# Altium PCB PCB1.PcbDoc
Units mm, origin at the board's own origin, x right, y up, seen from the top; angles counter-clockwise.
Board outline 42.93 x 47.63 mm, 2 copper layers (Top Layer, Bottom Layer); 25 components, 29 nets, 77 pads, 7 vias.
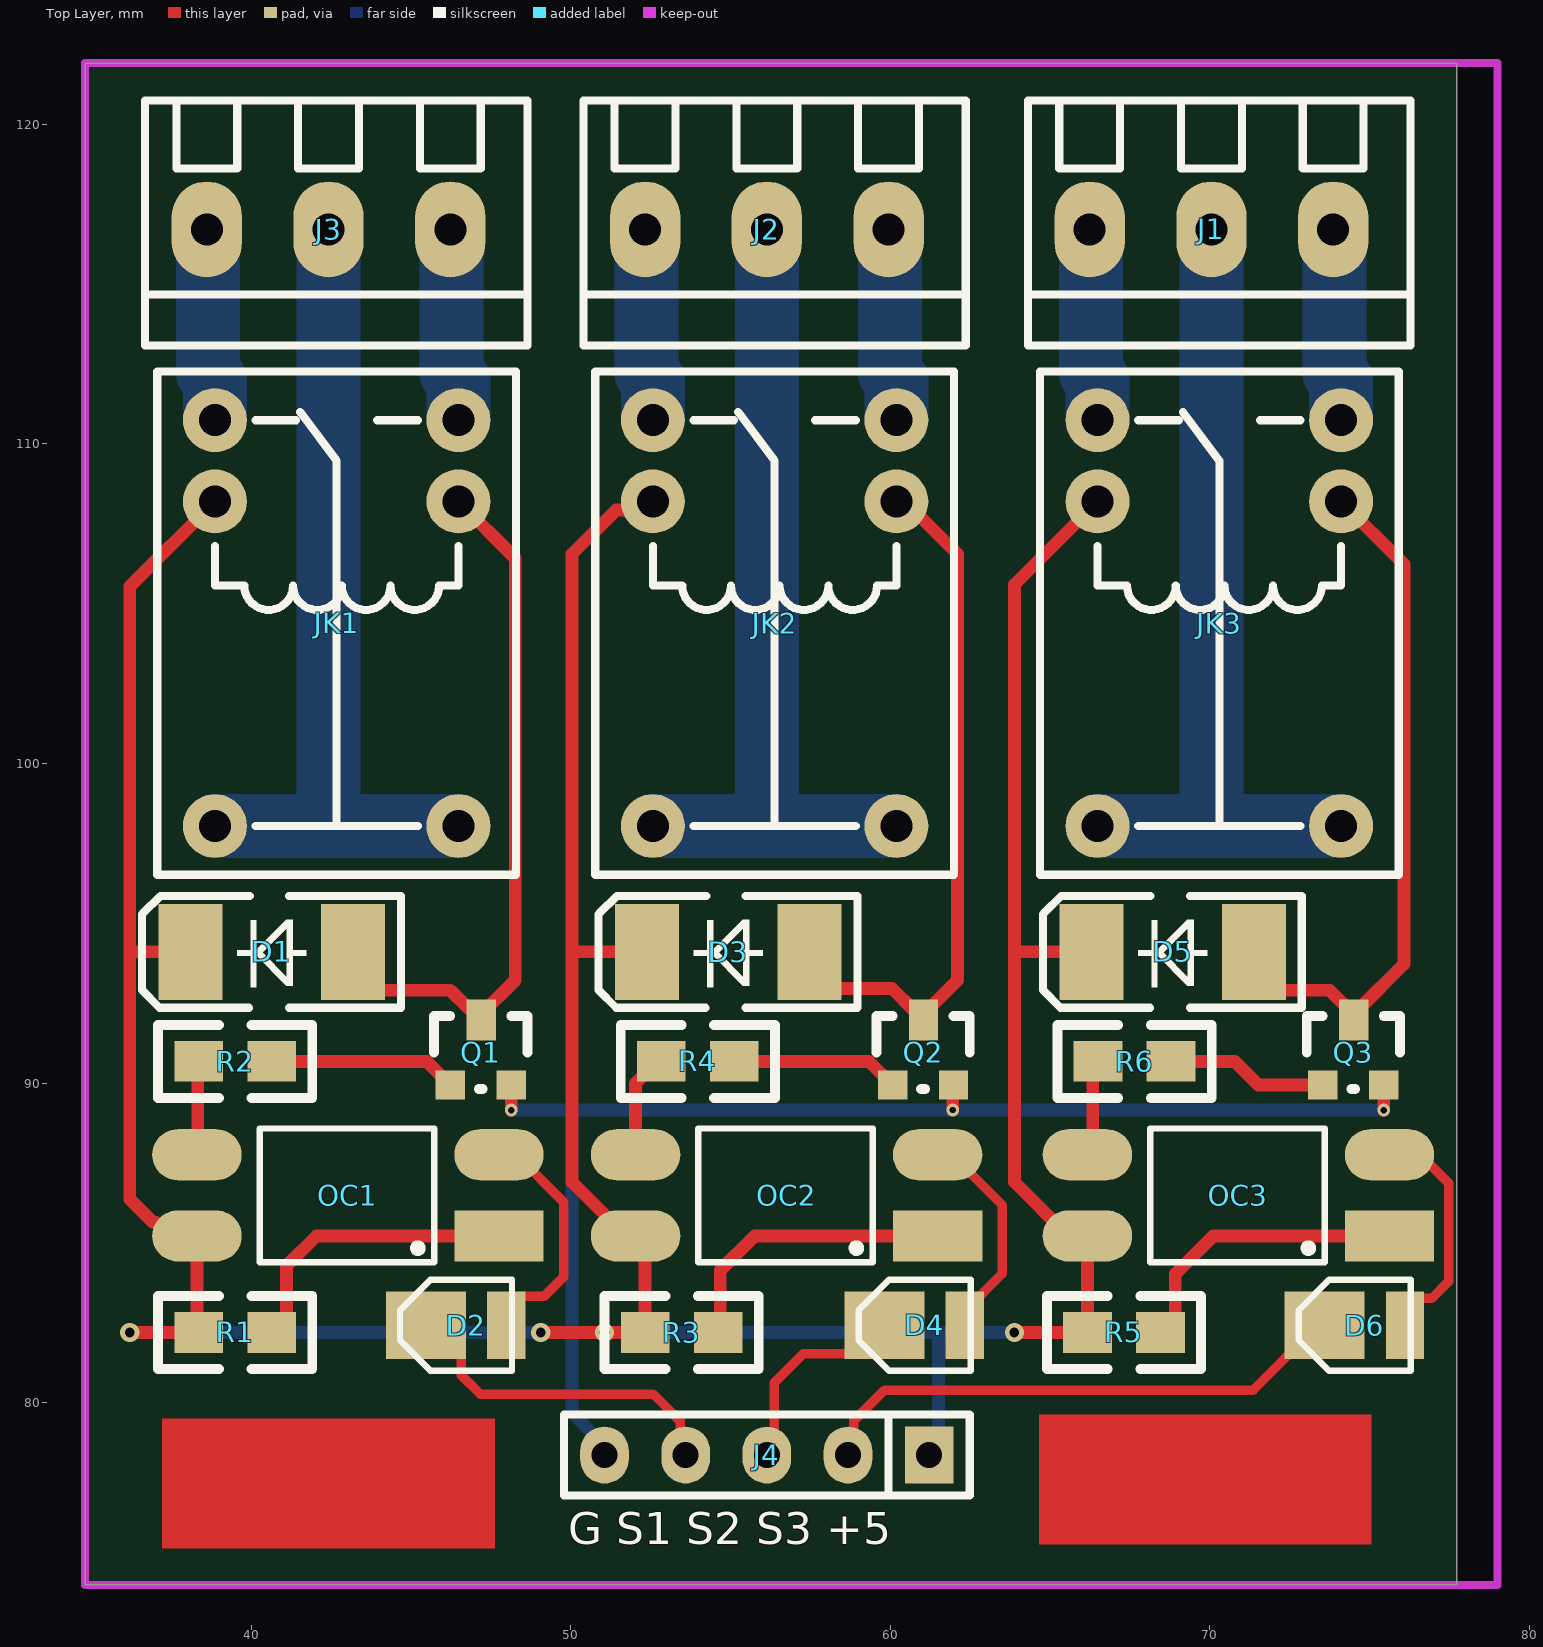
[diagram p0: Top Layer view]
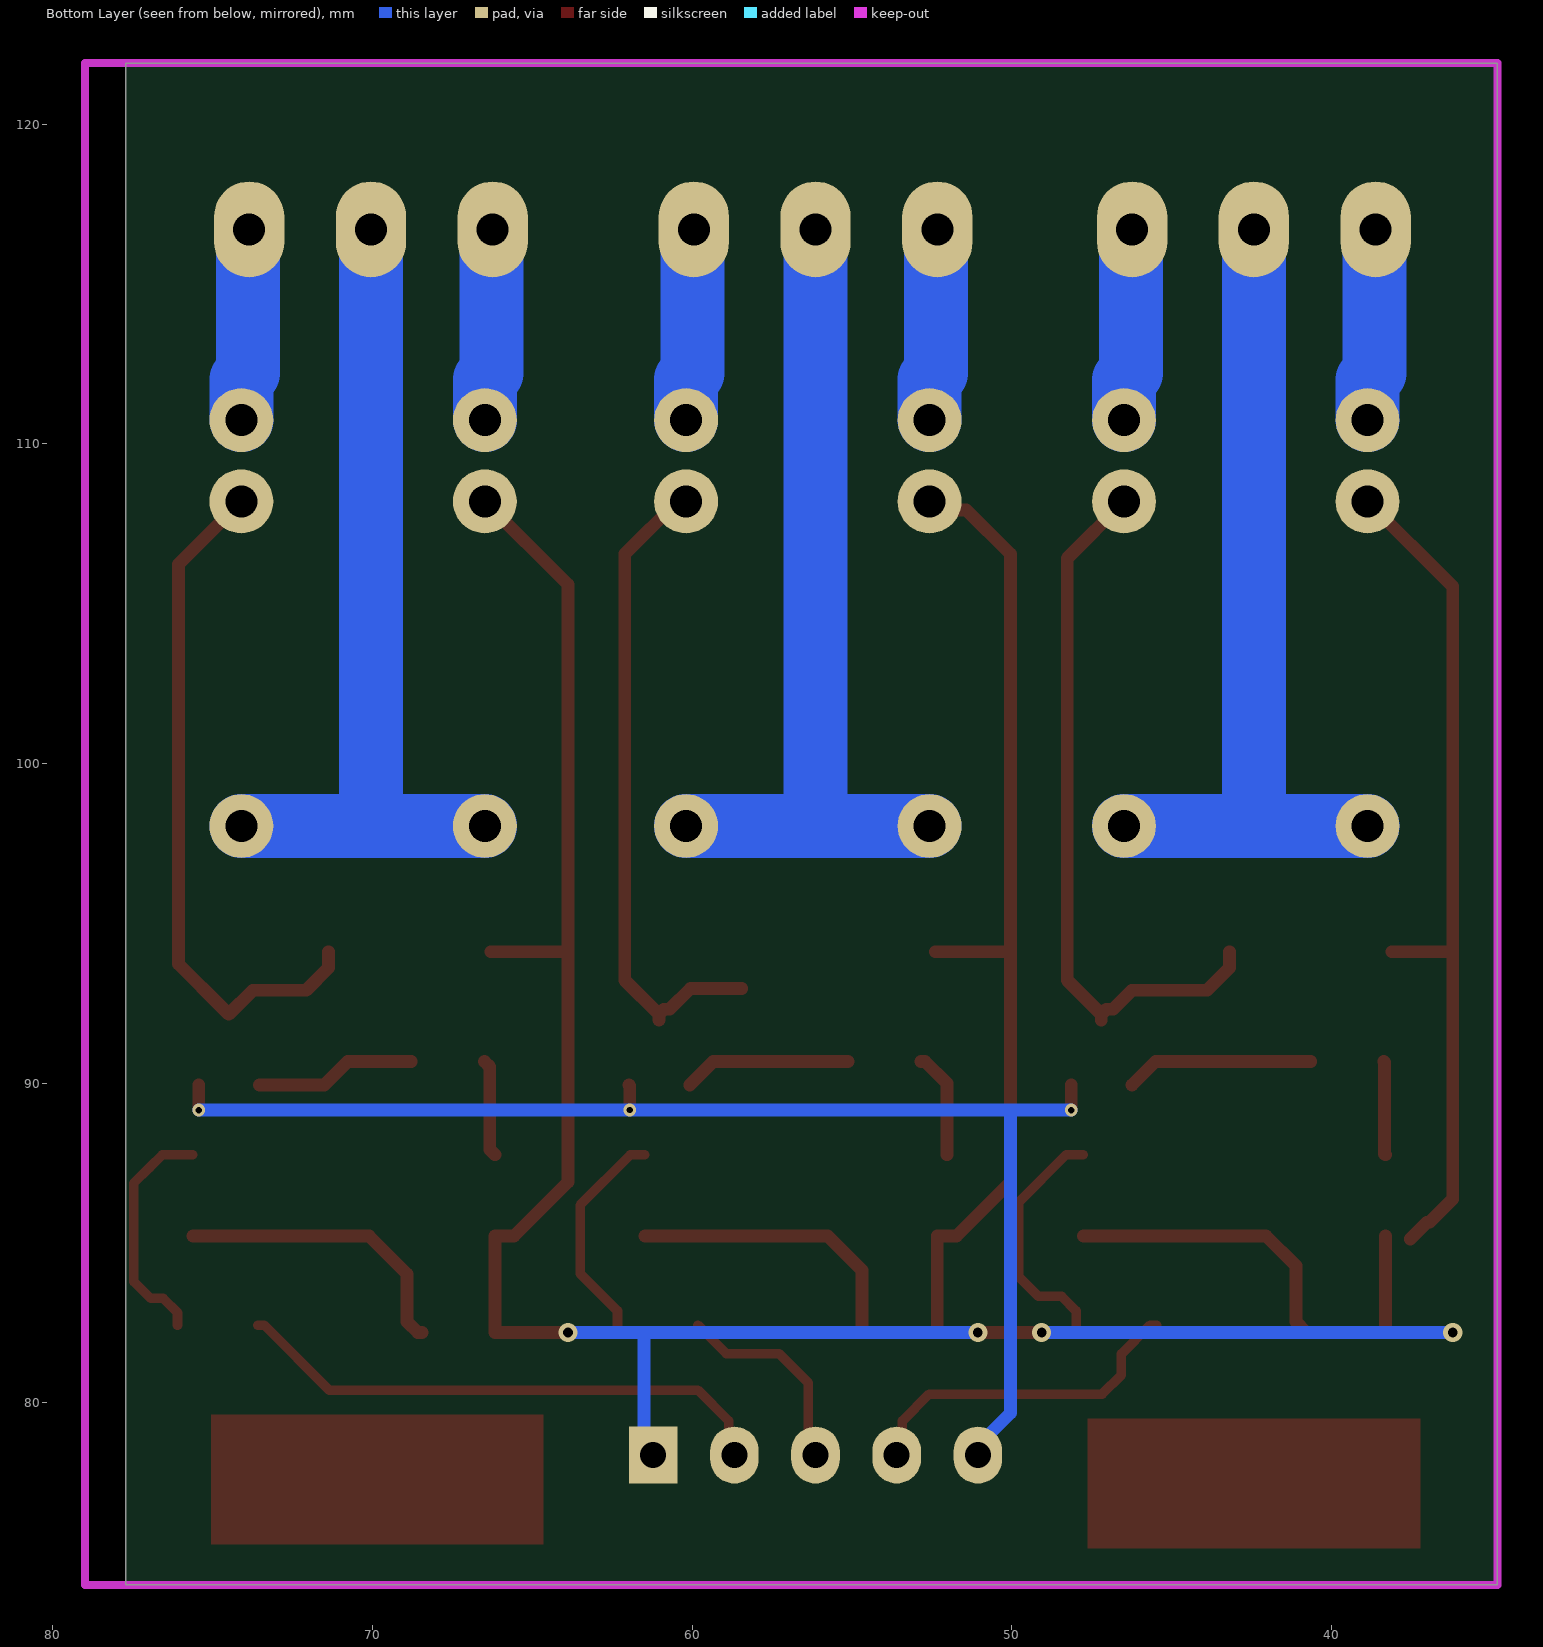
[diagram p1: Bottom Layer view, seen from below]

## Layer stack, top to bottom
Top Solder: solder mask 0.0102, Solder Resist, Dk 3.5
Top Layer: signal copper 0.0356
Dielectric 1: dielectric 0.32, FR-4, Dk 4.8
Bottom Layer: signal copper 0.0356
Bottom Solder: solder mask 0.0102, Solder Resist, Dk 3.5

## Board outline
34.798,74.295 34.798,121.92 77.724,121.92 77.724,74.295

## Design rules (kind name [scope] priority, off if disabled: settings)
Clearance [All] p1: gap=0.18 ignorepadtopadclearanceinfootprint=FALSE
HoleSize [All] p1: absolutevalues=TRUE maxlimit=10 minlimit=0.025 maxpercent=80.000 minpercent=20.000
PolygonConnect [All] p1: connectstyle=Direct reliefconductorwidth=0.254 reliefentries=4 polygonreliefangle="90 Angle" airgapwidth=0.254
RoutingVias [All] p1: holewidth=0.2 width=0.4 viastyle="Through Hole" minholewidth=0.1 minwidth=0.2 maxholewidth=0.4 maxwidth=1
SolderMaskExpansion [All] p1: expansion=0.102 istentingtop=FALSE
Width [All] p1: maxlimit=5 minlimit=0.254 preferedwidth=0.254 minimp=50.000000 maximp=50.000000 favimp=50.000000
29 further rules are at their usual default settings.

## Classes and differential pairs
component class Sheet1: D1 D2 D3 D4 D5 D6 J1 J2 J3 J4 JK1 JK2 OC1 OC2 OC3 Q1 Q2 R1 R3 R4 R5

## Components (designator, comment, footprint, x,y, rotation, side; value= is the part's Value field where it differs from the comment)
D1 "DIODE SCHOTTKY" SMA/DO-214AC 43.053,94.107 r180 top
D2 "LED-3528" LED-3528R 47.993,82.423 r180 top
D3 "DIODE SCHOTTKY" SMA/DO-214AC 57.34,94.107 r180 top
D4 "LED-3528" LED-3528R 62.344,82.423 r180 top
D5 "DIODE SCHOTTKY" SMA/DO-214AC 71.247,94.107 r180 top
D6 "LED-3528" LED-3528R 76.114,82.423 r180 top
J1 "KF128-3P" KF128-3.81-3P 73.857,116.713 r180 top
J2 "KF128-3P" KF128-3.81-3P 59.944,116.713 r180 top
J3 "KF128-3P" KF128-3.81-3P 46.228,116.713 r180 top
J4 "Pin HDR1X5" "Pin HDR1X5/2.54mm-S" 61.214,78.359 r270 top
JK1 "HK4100F-DC5V-SHG" HK4100F 42.672,104.394 r270 top
JK2 "HK4100F-DC5V-SHG" HK4100F 56.375,104.394 r270 top
JK3 "HK4100F-DC5V-SHG" HK4100F 70.294,104.394 r270 top
OC1 "PC817" SMD_PC817 47.752,85.217 r180 top
OC2 "PC817" SMD_PC817 61.476,85.217 r180 top
OC3 "PC817" SMD_PC817 75.619,85.217 r180 top
Q1 "S8050" SOT-23 47.117,90.83 r0 top
Q2 "S8050" SOT-23 60.96,90.83 r0 top
Q3 "S8050" SOT-23 74.422,90.83 r0 top
R1 "1k" 0805R 38.354,82.196 r0 top
R2 "1k" 0805R 40.64,90.678 r180 top
R3 "1k" 0805R 52.324,82.196 r0 top
R4 "1k" 0805R 55.118,90.678 r180 top
R5 "1k" 0805R 66.167,82.196 r0 top
R6 "1k" 0805R 68.783,90.678 r180 top

## Footprints (in the part's own frame and the unit in brackets; to place one, negate y for a bottom-side part, rotate by r counter-clockwise, add the part's x,y. Pads: shape width x height; smd on the part's side, far side on the other; paste and mask are expansions set on the pad)
0805R [mil]
  rect 60x50 smd: 1(0,0) 2(90,0)
  silkscreen extent -50,-45 140,45, body extent 1,-25 80,25, height 15
HK4100F [mm] "单刀双投"
  round 2 hole 1: 1(-3.81,3.81) 2(-3.81,-3.81) 3(6.35,3.81) 3(6.35,-3.81) 4(-6.35,3.81) 5(-6.35,-3.81)
  silkscreen extent -7.87,-5.61 7.87,5.61, body extent -7.75,-5.5 7.75,5.5, height 12.2
KF128-3.81-3P [mm] "螺钉式接线端子，脚距3.81mm"
  oval 2.2x3 hole 1: 1(0,0) 2(3.81,0) 3(7.62,0)
  silkscreen extent -2.41,-4.04 9.55,3.63, body extent -2.41,-3.83 9.52,3.57, height 8.55
LED-3528R [mm]
  rect 1.2x2.1 smd: A(0.013,0)
  rect 2.5x2.1 smd: K(2.527,0)
  silkscreen extent -0.17,-1.42 3.34,1.42, body extent -0.25,-1.4 3.25,1.4, height 1.95
"Pin HDR1X5/2.54mm-S" [mil]
  rect 70x60 hole 32: 1(0,0)
  oval 70x60 hole 32: 2(0,-100) 3(0,-200) 4(0,-300) 5(0,-400)
  silkscreen extent -50,-450 50,50, body extent -50,-450 50,50, height 336
SMA/DO-214AC [mm] "塑封二极管"
  rect 2x3 smd: A(-0.127,0) K(4.953,0)
  silkscreen extent -1.63,-1.75 6.48,1.75, body extent 0.11,-1.35 4.71,1.35, height 2.4
SMD_PC817 [mm]
  rect 2.8x1.6 smd mask+0: 1(0,0)
  oval 2.8x1.6 smd mask+0: 2(0,-2.54) 3(9.452,-2.54) 4(9.452,0)
  silkscreen extent 2.03,-3.36 7.49,0.82, body extent -0.3,-3.56 9.7,1.02, height 3.85
SOT-23 [mil]
  rect 36x36 smd: B(-35,-35) E(40,-35)
  rect 36x50 smd: C(3,45)
  silkscreen extent -55,-40 60,50, body extent -54,-48 60,62, height 47

## Part data
D1 D3 D5: "肖特基二极管"
JK1 JK2 JK3: library part HK4100F, "一组转换"
OC1 OC2 OC3: "线性光耦"
Q1 Q2 Q3: library part NPN, "NPN三极管"
R1 R2 R3 R4 R5 R6: library part RES

## Via types
v1: diameter 0.6, hole 0.3, Top Layer to Bottom Layer, tented both sides, 4 vias
v2: diameter 0.4, hole 0.2, Top Layer to Bottom Layer, tented both sides, 3 vias

## Nets (pads, with @x,y where several pads share a name; then routed paths per layer and width w, separated by ;. In a path a pad name is that pad's centre, name@x,y a point inside that pad or via, vN(x,y) a via of type N, cw(c..) or ccw(c..) an arc to the next point about the centre after c; other vN are vias at no path point)
+5: D1.K D3.K D5.K J4.1 JK1.2 JK2.2 JK3.2 OC1.4 OC2.4 OC3.4 R1.1 R3.1 R5.1 | length 129.1
  Top Layer w0.4: v1(36.195,82.196) R1.1 38.3,82.25 OC1.4 ; OC1.4@37.524,85.122 37.003,85.643 36.922,85.643 36.195,86.37 36.195,94.107 ; D1.K 36.195,94.107 ; JK1.2 36.195,105.537 36.195,94.107 ; v1(49.061,82.196) v1(51.054,82.196) R3.1 52.324,85.217 51.724,85.217 50.038,86.903 50.038,94.107 ; D3.K 50.038,94.107 ; JK2.2 52.297,107.936 51.421,107.936 50.038,106.553 50.038,94.107 ; v1(63.881,82.196) R5.1 OC3.4 65.567,85.217 63.881,86.903 63.881,94.107 ; D5.K 63.881,94.107 ; JK3.2 63.881,105.6 63.881,94.107
  Bottom Layer w0.4: v1(36.195,82.196) v1(49.061,82.196) ; v1(51.054,82.196) 61.507,82.196 ; J4.1 61.507,78.652 61.507,82.196 ; v1(63.881,82.196) 62.957,82.196 61.507,82.196
GND: J4.5 Q1.E Q2.E Q3.E | length 40.9
  Top Layer w0.4: v2(48.133,89.154) Q1.E ; v2(61.95,89.156) 61.95,89.915 Q2.E ; v2(75.438,89.154) Q3.E
  Bottom Layer w0.4: v2(48.133,89.154) 49.911,89.154 49.913,89.156 v2(61.95,89.156) 61.952,89.154 v2(75.438,89.154) ; 50.038,89.156 50.038,79.678 51.054,78.662 J4.5
NetD1_A: D1.A JK1.1 Q1.C | length 22.5
  Top Layer w0.4: D1.A 43.18,93.607 43.88,92.907 46.228,92.907 46.827,92.308 47.036,92.308 Q1.C@47.193,92.151 ; JK1.1 48.26,106.426 48.26,93.218 Q1.C@47.193,92.151 ; Q1.C Q1.C@47.193,92.151
NetD2_A: D2.A OC1.2 | length 7.7
  Top Layer w0.3: OC1.2 48.293,87.757 49.784,86.266 49.784,83.947 49.16,83.323 48.431,83.323 47.981,82.873 D2.A
NetD3_A: D3.A JK2.1 Q2.C | length 20.6
  Top Layer w0.4: D3.A@58.441,92.964 60.046,92.964 60.701,92.308 60.879,92.308 Q2.C@61.036,92.151 ; JK2.1 60.452,108.204 62.103,106.553 62.103,93.218 Q2.C@61.036,92.151 ; Q2.C Q2.C@61.036,92.151
NetD4_A: D4.A OC2.2 | length 6.9
  Top Layer w0.3: OC2.2 61.924,87.757 63.5,86.181 63.5,84.041 62.332,82.873 D4.A
NetD5_A: D5.A JK3.1 Q3.C | length 21.7
  Top Layer w0.4: D5.A 71.374,93.607 72.074,92.907 73.742,92.907 74.498,92.151 74.655,92.308 76.073,93.726 76.073,106.236 JK3.1
NetD6_A: D6.A OC3.2 | length 7.5
  Top Layer w0.3: OC3.2 76.571,87.757 76.973,87.354 76.984,87.354 77.47,86.868 77.47,83.792 76.945,83.266 76.551,83.266 76.101,82.816 D6.A
NetOC1_1: OC1.1 R1.2 | length 9.4
  Top Layer w0.4: R1.2 40.767,82.196 41.102,82.531 41.102,84.282 42.037,85.217 OC1.1
NetOC1_3: OC1.3 R2.2 | length 2.9
  Top Layer w0.4: OC1.3 38.327,87.784 38.327,90.651 R2.2
NetOC2_1: OC2.1 R3.2 | length 9.2
  Top Layer w0.4: R3.2 54.678,82.264 54.678,84.142 55.753,85.217 OC2.1
NetOC2_3: OC2.3 R4.2 | length 3.3
  Top Layer w0.4: OC2.3 52.024,89.997 52.705,90.678 R4.2
NetOC3_1: OC3.1 R5.2 | length 9.3
  Top Layer w0.4: R5.2 68.58,82.196 68.915,82.531 68.915,84.028 70.104,85.217 OC3.1
NetOC3_3: OC3.3 R6.2 | length 3.1
  Top Layer w0.4: OC3.3 66.332,87.922 66.332,90.513 R6.2
NetQ1_B: Q1.B R2.1 | length 5.9
  Top Layer w0.4: R2.1 45.491,90.678 Q1.B
NetQ2_B: Q2.B R4.1 | length 5.3
  Top Layer w0.4: R4.1 59.334,90.678 Q2.B
NetQ3_B: Q3.B R6.1 | length 5.1
  Top Layer w0.4: R6.1 70.775,90.678 71.511,89.941 Q3.B
SW1: D6.K J4.2 | length 17.1
  Top Layer w0.3: J4.2 58.85,78.535 58.85,79.424 59.817,80.391 71.355,80.391 73.387,82.423 D6.K
SW2: D4.K J4.3 | length 6.6
  Top Layer w0.3: J4.3 56.368,78.593 56.368,80.625 57.277,81.534 58.928,81.534 D4.K
SW3: D2.K J4.4 | length 10.7
  Top Layer w0.3: D2.K 45.666,82.423 46.566,81.523 46.566,80.864 47.166,80.264 52.578,80.264 53.418,79.424 53.418,78.535 J4.4
VCC-1: J1.2 JK3.3 | length 26.4
  Bottom Layer w2: JK3.3@66.484,98.044 69.723,98.044 ; J1.2 70.047,98.368 69.723,98.044 ; JK3.3@74.105,98.044 69.723,98.044
VCC-1-1: J1.3 JK3.5 | length 6.1
  Bottom Layer w2: J1.3 66.275,116.675 66.275,112.221 66.484,112.011 JK3.5
VCC-1-2: J1.1 JK3.4 | length 6.1
  Bottom Layer w2: J1.1 73.895,116.675 73.895,112.221 74.105,112.011 JK3.4
VCC-2: J2.2 JK2.3 | length 26.4
  Bottom Layer w2: JK2.3@52.565,98.044 56.375,98.044 ; J2.2 56.134,98.285 56.375,98.044 ; JK2.3@60.185,98.044 56.375,98.044
VCC-2-1: J2.3 JK2.5 | length 6.1
  Bottom Layer w2: J2.3 52.362,116.675 52.362,112.221 52.565,112.018 JK2.5
VCC-2-2: J2.1 JK2.4 | length 6.1
  Bottom Layer w2: J2.1 59.982,116.675 59.982,112.221 60.185,112.018 JK2.4
VCC-3: J3.2 JK1.3 | length 26.3
  Bottom Layer w2: JK1.3@38.862,98.044 42.418,98.044 ; J3.2 42.418,98.044 ; JK1.3@46.482,98.044 42.418,98.044
VCC-3-1: J3.3 JK1.5 | length 6.1
  Bottom Layer w2: J3.3 38.646,116.675 38.646,112.221 38.862,112.005 JK1.5
VCC-3-2: J3.1 JK1.4 | length 6.1
  Bottom Layer w2: J3.1 46.266,116.675 46.266,112.221 46.482,112.005 JK1.4

## Keep-outs
Keep-Out Layer:
  lines w0.254: 34.798,74.295 78.994,74.295 78.994,121.92 34.798,121.92 34.798,74.295

## Other copper
Top Layer:
  rectangle: 37.211,75.438 47.625,79.502
  rectangle: 64.643,75.565 75.057,79.629

## Silkscreen, mask and mechanical layers (free items; w line width, h text height)
Top Overlay:
  text "G S1 S2 S3 +5" at 49.911,75.565 h1
Top Solder:
  text "Relays" at 37.465,75.811 h3
  text "pomin" at 64.897,75.811 h3